# Altium PCB BSPD_General_PCB.PcbDoc
Units mil, origin at the board's own origin, x right, y up, seen from the top; angles counter-clockwise.
Board outline 3937.01 x 2760 mil, 2 copper layers (Top Layer, Bottom Layer); 68 components, 42 nets, 233 pads, 62 vias.
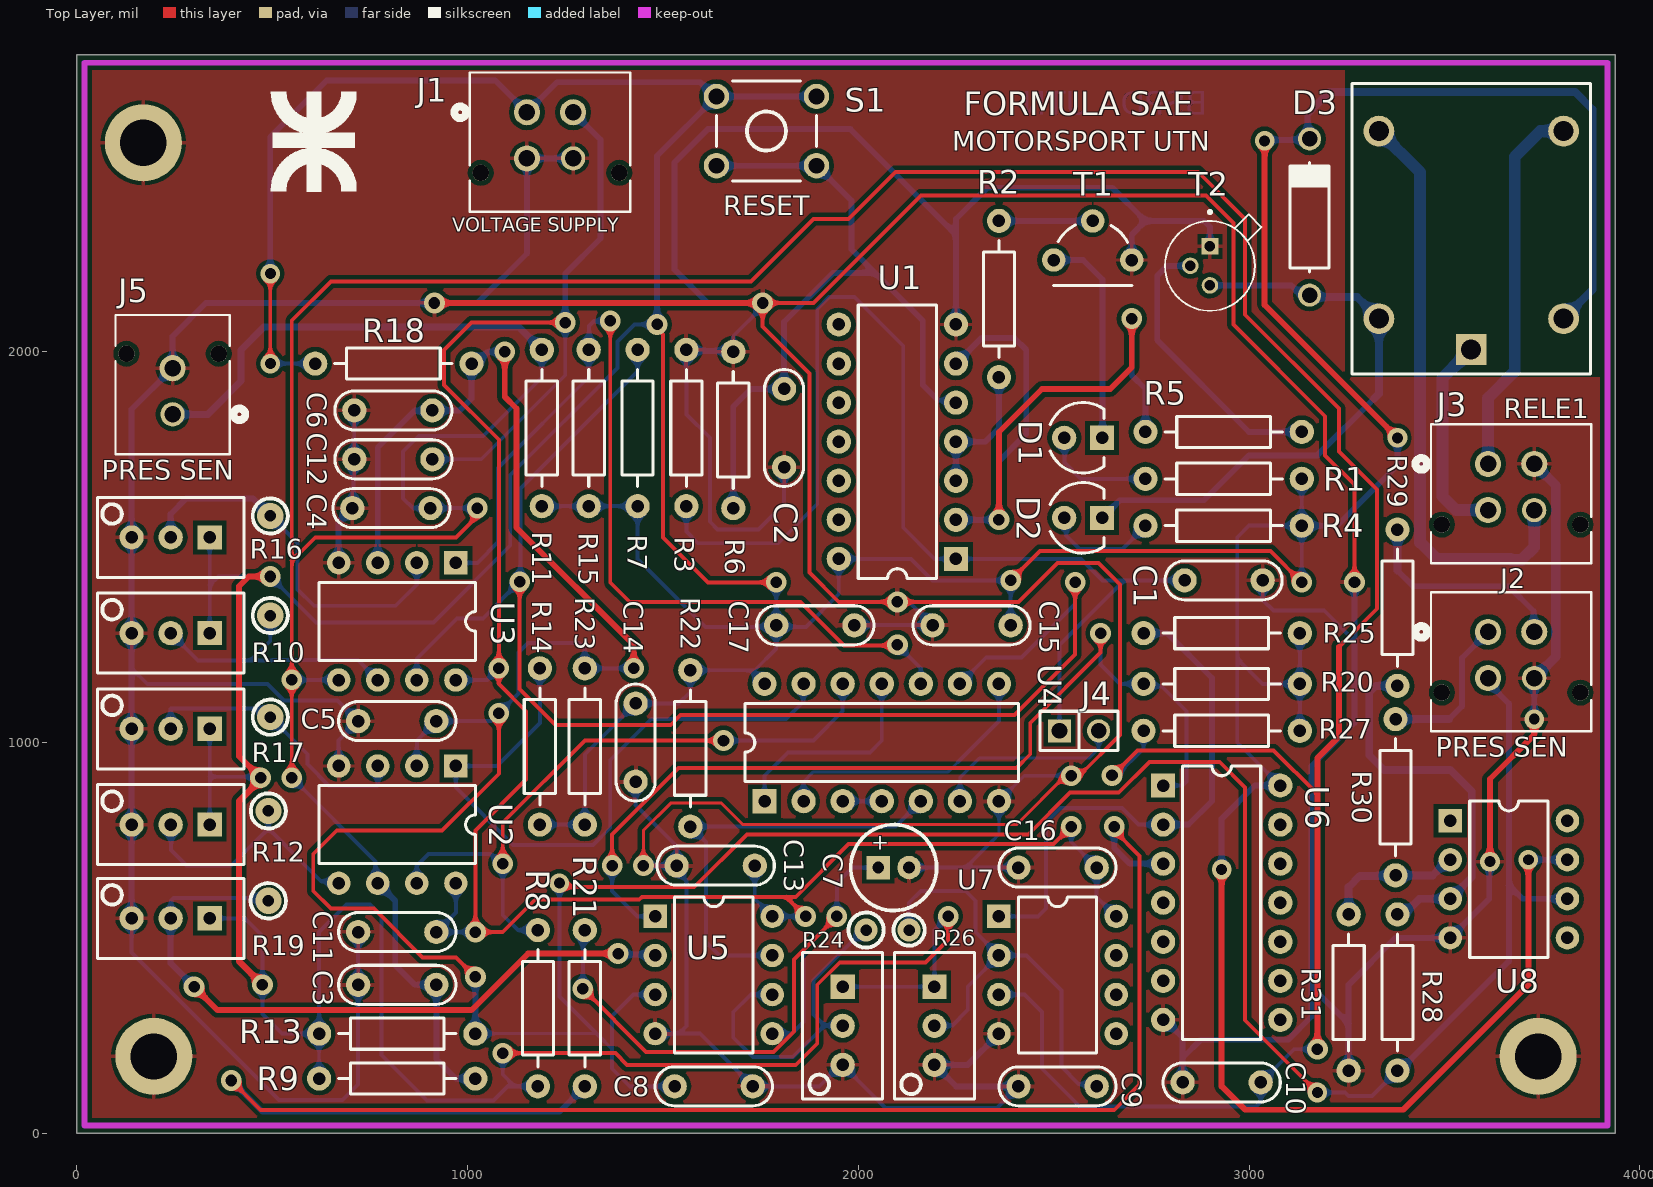
[diagram p0: Top Layer view]
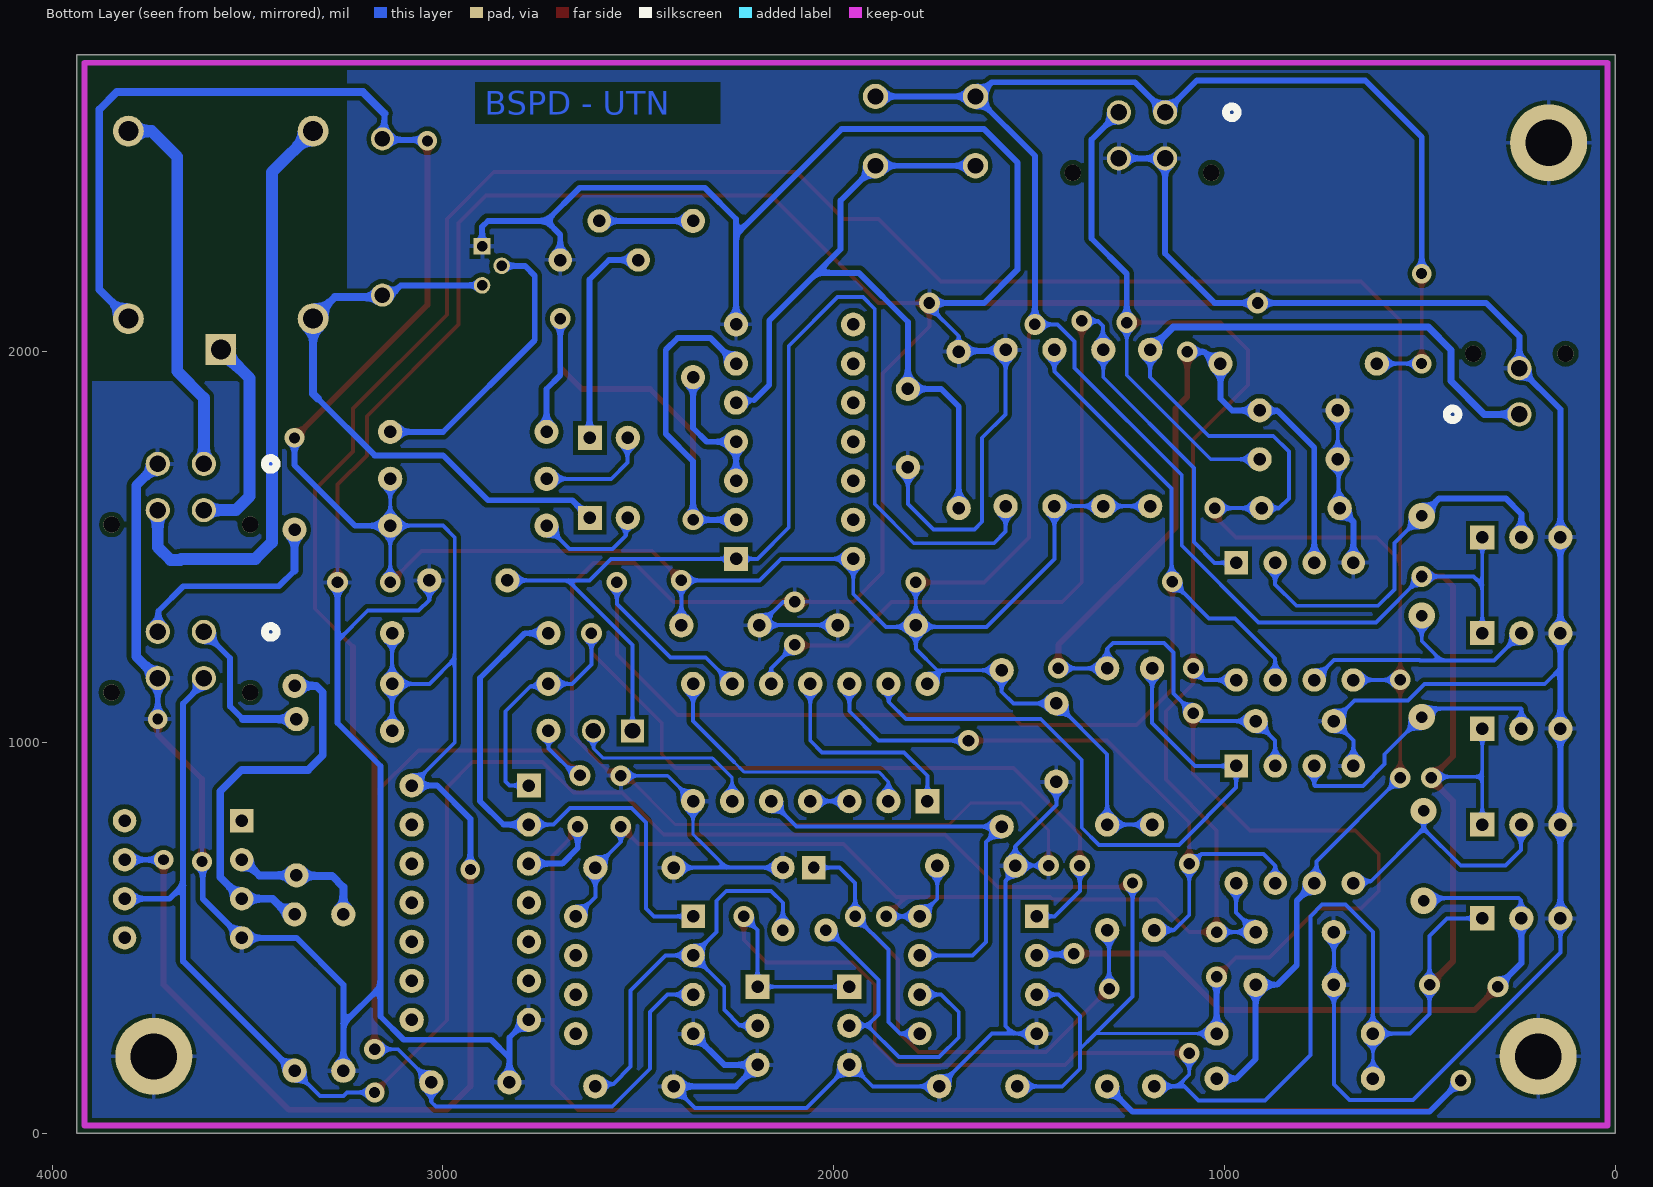
[diagram p1: Bottom Layer view, seen from below]
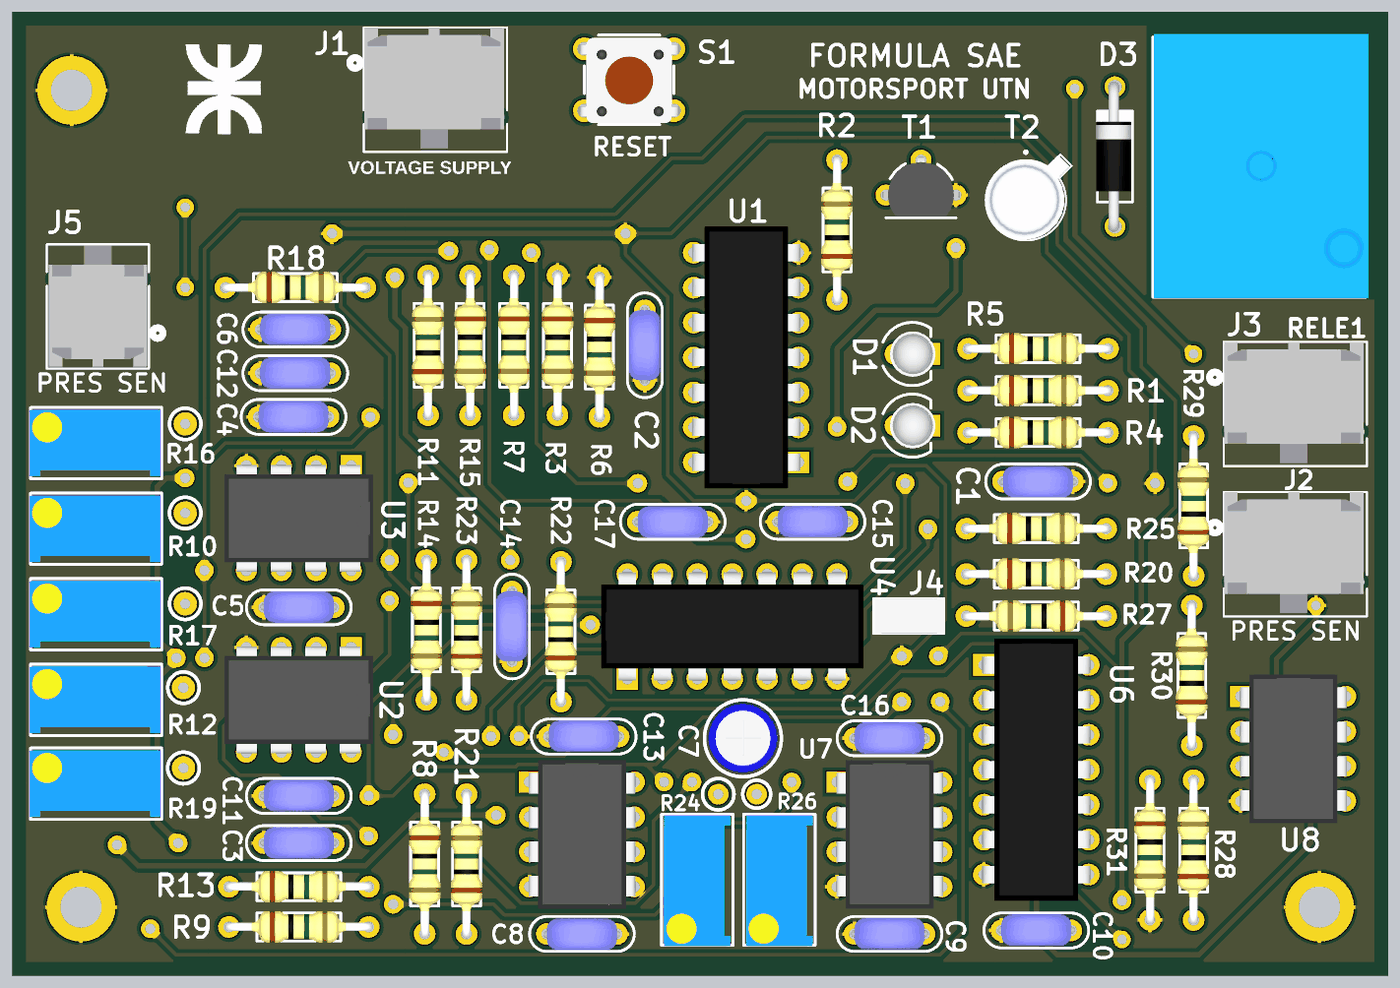
[diagram p2: 3D render of the assembled board from above, using the file's embedded part models]

## Layer stack, top to bottom
Top Solder: solder mask 0.4, Solder Resist, Dk 3.5
Top Layer: signal copper 1.4
Dielectric 1: dielectric 12.6, FR-4, Dk 4.8
Bottom Layer: signal copper 1.4
Bottom Solder: solder mask 0.4, Solder Resist, Dk 3.5

## Board outline
0,0 0,2760 3937.01,2760 3937.01,0

## Design rules (kind name [scope] priority, off if disabled: settings)
Clearance [All] p1: gap=11.81 ignorepadtopadclearanceinfootprint=FALSE
PolygonConnect [All] p1: connectstyle=Relief reliefconductorwidth=10 reliefentries=4 polygonreliefangle="90 Angle" airgapwidth=10
RoutingVias [All] p1: holewidth=28 width=50 viastyle="Through Hole" minholewidth=28 minwidth=50 maxholewidth=28 maxwidth=50
SolderMaskExpansion [All] p1: expansion=4 istentingtop=FALSE
Width [All] p1: maxlimit=32 minlimit=8 preferedwidth=10
30 further rules are at their usual default settings.

## Classes and differential pairs
component class "Retencion y reset": C1 C2 C17 D1 D2 D3 J1 J2 J3 J4 J5 R1 R2 R3 R4 R5 R6 R28 R29 R30 R31 RELE1 S1 T1 T2 U1 U8
component class "Comparadores y protecciones": C3 C4 C5 C6 C7 C8 C9 C10 C11 C12 C13 C14 C15 C16 R7 R8 R9 R10 R11 R12 R13 R14 R15 R16 R17 R18 R19 R20 R21 R22 R23 R24 R25 R26 R27 U2 U3 U4 U5 U6 U7

## Components (designator, comment, footprint, x,y, rotation, side; value= is the part's Value field where it differs from the comment)
C1 "100nF" CAP200 2935,1415 r0 top
C2 "100nF" CAP200 1810,1805 r270 top
C3 "1nF" CAP200 820,380 r180 top
C4 "1nF" CAP200 805,1600 r180 top
C5 "100nF" CAP200 820,1055 r180 top
C6 "100nF" CAP200 810,1850 r180 top
C7 "10uF" CAP100RP 2090.63,680 r0 top
C8 "100nF" CAP200 1630,120 r0 top
C9 "10nF" CAP200 2510,120 r180 top
C10 "100nF" CAP200 2930,130 r180 top
C11 "100nF" CAP200 820,515 r180 top
C12 "100nF" CAP200 810,1725 r180 top
C13 "100nF" CAP200 1635,685 r180 top
C14 "100nF" CAP200 1430,1000 r270 top
C15 "100nF" CAP200 2290,1300 r180 top
C16 "100nF" CAP200 2510,680 r180 top
C17 "100nF" CAP200 1890,1300 r0 top
D1 "LED STATUS" "LED 3 - GREEN" 2575,1780 r0 top
D2 "LED FAILURE" "LED 3 - RED" 2575,1575 r0 top
D3 "1N4001" DO41 3155,2345 r90 top
J1 "Source" CONN_SD-44067-001_04_MOL 1151.89,2613.11 r180 top
J2 "CURR SENSOR" CONN_SD-44067-001_04_MOL 3611.89,1283.11 r180 top
J3 "Relay" CONN_SD-44067-001_04_MOL 3611.89,1713.11 r180 top
J4 "JUMPER" JUMPER2 2565,1030 r0 top
J5 "PRES SENSOR" CONN_SD-44067-001_02_MOL 245,1840 r0 top
R1 "220" RES400 2735,1675 r0 top
R2 "2200" RES400 2360,1935 r90 top
R3 "10K" RES400 1560,2005 r270 top
R4 "220" RES400 2735,1555 r0 top
R5 "1K" RES400 2735,1795 r0 top
R6 "10K" RES400 1680,2000 r270 top
R7 "4K7" RES400 1435,2005 r270 top
R8 "4K7" RES400 1180,520 r270 top
R9 "10K" RES400 620,140 r0 top
R10 "10K" "PRESET V" 240,1280 r180 top
R11 "10K" RES400 1190,1605 r90 top
R12 "10K" "PRESET V" 240,790 r180 top
R13 "10K" RES400 620,255 r0 top
R14 "4K7" RES400 1185,1190 r270 top
R15 "4K7" RES400 1310,2005 r270 top
R16 "10K" "PRESET V" 240,1525 r180 top
R17 "10K" "PRESET V" 240,1035 r180 top
R18 "10K" RES400 610,1970 r0 top
R19 "10K" "PRESET V" 240,550 r180 top
R20 "4K7" RES400 2730,1150 r0 top
R21 "56K" RES400 1300,120 r90 top
R22 "4K7" RES400 1570,785 r90 top
R23 "10K" RES400 1300,790 r90 top
R24 "10K" "PRESET V" 1960,275 r270 top
R25 "4K7" RES400 2730,1280 r0 top
R26 "10K" "PRESET V" 2195,275 r270 top
R27 "10K" RES400 3130,1030 r180 top
R28 "100K" RES400 3380,160 r90 top
R29 "3K3" RES400 3380,1145 r90 top
R30 "3K3" RES400 3375,660 r90 top
R31 "100K" RES400 3255,560 r270 top
RELE1 "RELE SIMPLE" "RELE SERIE 943" 3263.66,1942.95 r90 top
S1 "RESET" TACTSWITCH 1765,2565 r270 top
T1 "BC547B" TO92 2600,2285 r180 top
T2 "2N2222" TO-18 2900,2220 r270 top
U1 "74HC02" DIP14 2250,1470 r180 top
U2 "LM2903" DIP8 970,940 r270 top
U3 "LM2903" DIP8 970,1460 r270 top
U4 "74HC32" DIP14 1760,850 r90 top
U5 "LM2903" DIP8 1480,555 r0 top
U6 "74HC08" DIP14 2780,890 r0 top
U7 "LM2903" DIP8 2360,555 r0 top
U8 "OPA277" DIP8 3515,800 r0 top

## Footprints (in the part's own frame and the unit in brackets; to place one, negate y for a bottom-side part, rotate by r counter-clockwise, add the part's x,y. Pads: shape width x height; smd on the part's side, far side on the other; paste and mask are expansions set on the pad)
CAP100RP [mil] "Body diameter 5mm"
  rect 60x60 hole 30: 1(-39.37,0)
  round 60 hole 30: 2(39.37,0)
  silkscreen extent -110,-110 110,110, body extent -99,-99 99,100, height 454
CAP200 [mil]
  round 62 hole 32: 1(-100,0) 2(100,0)
  silkscreen extent -150,-50 150,50, body extent -110,-46 110,44, height 246
CONN_SD-44067-001_02_MOL [mil]
  round 62 hole 42 paste-31 mask+0: 1(0,0)
  round 66.93 / inner round 62 / far side round 62 hole 42 paste-31 mask+0: 2(0,118.11)
  round 42 hole 42 unplated paste+0 mask+0: 3(-118.11,155.12) 4(118.11,155.12)
  silkscreen extent -146,-102 186,254, body extent -141,-96 141,250, height 391
CONN_SD-44067-001_04_MOL [mm]
  round 1.7 / inner round 1.575 / far side round 1.575 hole 1.067 paste-0.787 mask+0: 1(0,0) 2(-3,0) 3(0,3)
  round 1.575 hole 1.067 paste-0.787 mask+0: 4(-3,3)
  round 1.067 hole 1.067 unplated paste+0 mask+0: 5(-6,3.94) 6(3,3.94)
  silkscreen extent -6.71,-2.59 4.72,6.46, body extent -6.47,-2.57 3.68,6.23, height 9.42
DIP8 [mil]
  rect 60x60 hole 32: 1(0,0)
  round 60 hole 32: 2(0,-100) 3(0,-200) 4(0,-300) 5(300,-300) 6(300,-200) 7(300,-100) 8(300,0)
  silkscreen extent 50,-350 250,50, body extent -3,-363 303,63, height 177
DIP14 [mil]
  rect 62x62 hole 32: 1(0,0)
  round 62 hole 32: 2(0,-100) 3(0,-200) 4(0,-300) 5(0,-400) 6(0,-500) 7(0,-600) 8(300,-600) 9(300,-500) 10(300,-400) 11(300,-300) 12(300,-200) 13(300,-100) 14(300,0)
  silkscreen extent 50,-650 250,50, body extent -5,-675 305,75, height 165
DO41 [mm]
  round 1.5 hole 1.016: 1(-5.08,0) 2(5.08,0)
  silkscreen extent -3.56,-1.27 3.56,1.27, body extent -5.46,-1.19 5.46,1.37, height 2.03
JUMPER2 [mm]
  rect 1.5x1.5 hole 1.016: 1(-1.27,0)
  round 1.5 hole 1.016: 2(1.27,0)
  silkscreen extent -2.54,-1.27 2.54,1.27, body extent -2.46,-1.27 2.54,1.27, height 9.5
"LED 3 - GREEN" [mil]
  round 62 hole 32: 1(-48,0)
  rect 62x62 hole 32: 2(49,0)
  silkscreen extent -84,-90 54,90, body extent -64,-65 66,65, height 237
"LED 3 - RED" [mil]
  round 62 hole 32: 1(-48,0)
  rect 62x62 hole 32: 2(49,0)
  silkscreen extent -84,-90 54,90, body extent -64,-65 66,65, height 237
"PRESET V" [mil]
  rect 62x62 hole 32: 1(-100,0)
  round 62 hole 32: 2(0,0) 3(100,0)
  silkscreen extent -188,-102 188,102, body extent -185,-95 190,95, height 455
"RELE SERIE 943" [mm]
  round 2 hole 1.3: B1(3.6,-13.75) B2(3.6,-1.75) NA1(15.8,-13.75) NC1(15.8,-1.75)
  rect 2x2 hole 1.3: C1(1.6,-7.75)
  silkscreen extent 0,-15.5 18.9,0, body extent -0.07,-15.67 19.13,-0.07, height 15.81
RES400 [mil]
  round 62 hole 32: 1(0,0) 2(400,0)
  silkscreen extent 50,-40 350,40, body extent -12,-45 412,46, height 96
TACTSWITCH [mil]
  round 65 hole 40: 1(-88.58,-127.95) 2(-88.58,127.95) 3(88.58,-127.95) 4(88.58,127.95)
  silkscreen extent -128,-128 128,128, body extent -120,-156 124,156, height 276
TO92 [mil]
  round 60 hole 32: 1(0,-50) 2(100,50) 3(-100,50)
  silkscreen extent -100,-39 100,115, body extent -110,-61 110,110, height 315
TO-18 [mm]
  round 1.08 hole 0.68: 1(0,-1.27) 2(1.27,0)
  rect 1.08x1.08 / inner round 1.08 / far side rect 1.08x1.08 hole 0.68: 3(-1.27,0)
  silkscreen extent -3.6,-2.92 2.92,3.34, body extent -3.3,-2.99 2.87,3.18, height 5.31

## Part data
C1 C2 C3 C4 C5 C6 C8 C9 C10 C11 C12 C13 C14 C15 C16 C17: library part CAP
C7: library part CAPPOL
D1: library part "LED VERDE", "LED VERDE"
D2: library part "LED ROJO", "LED ROJO"
D3: "Diodo"
J1 J2 J3: library part "MolexMini 4", "Molex mini 50 de 4 pines (440670401)", Package=None, Availability=Unavailable, MP=347920040, Price=None
J5: library part "MolexMini 2", "Micro-Fit 3.0 Wire-to-Board Header, Dual Row, Vertical for up to 3.56mm Thick PCB, 2 Circuits, Tin (Sn) Plating", Manufacturer_Name="Molex Connector Corporation", Manufacturer_Part_Number=440670201, Copyright="Copyright (C) 2025 Ultra Librarian. All rights reserved.", RefDes=RefDes, Type=Type
R1 R2 R3 R4 R5 R6 R7 R8 R9 R11 R13 R14 R15 R18 R20 R21 R22 R23 R25 R27 R28 R29 R30 R31: library part RES
R10 R12 R16 R17 R19 R24 R26: library part PRESET
S1: library part "TACT SWITCH"
T1 T2: library part "TRANSISTOR NPN"
U1: "Compuerta NOR", Autor="SALERNO, Santiago", datasheet=https://cdn.datasheetspdf.com/pdf-down/7/4/H/74HC14-ONSemiconductor.pdf, fecha=10/05/2019
U2 U3 U5 U7: "Comparador"
U4: "Compuerta OR", Autor="SALERNO, Santiago", datasheet=https://cdn.datasheetspdf.com/pdf-down/7/4/H/74HC14-ONSemiconductor.pdf, fecha=10/05/2019
U6: "Compuerta AND", Autor="SALERNO, Santiago", datasheet=https://cdn.datasheetspdf.com/pdf-down/7/4/H/74HC14-ONSemiconductor.pdf, fecha=10/05/2019
U8: "Op Amp Single Low Offset Voltage Amplifier Â±18V 8-Pin PDIP Tube", Package=None, Check_prices=https://www.snapeda.com/parts/OPA277/Texas+Instruments/view-part/?ref=eda, MF="Texas Instruments", MP=OPA277, SnapEDA_Link=https://www.snapeda.com/parts/OPA277/Texas+Instruments/view-part/?ref=snap

## Free pads (board coordinates)
  round 196.85 hole 118.11: 2(170,2535) 2(196.85,196.85) 2(3740.16,196.85)

## Via types
v1: diameter 53.15, hole 29.53, Top Layer to Bottom Layer, 45 vias
v2: diameter 50, hole 28, Top Layer to Bottom Layer, 10 vias
v3: diameter 66.93, hole 29.53, Top Layer to Bottom Layer, 5 vias
v4: diameter 59.06, hole 29.53, Top Layer to Bottom Layer, 2 vias

## Nets (pads, with @x,y where several pads share a name; then routed paths per layer and width w, separated by ;. In a path a pad name is that pad's centre, name@x,y a point inside that pad or via, vN(x,y) a via of type N, cw(c..) or ccw(c..) an arc to the next point about the centre after c; other vN are vias at no path point)
5V: C14.1 C15.1 C17.1 D3.2 J1.1 R1.2 R4.2 R7.2 R8.2 R9.1 R10.1 R11.1 R12.1 R13.1 R14.2 R15.2 R16.1 R17.1 R18.1 R19.1 R20.2 R22.2 R23.1 R24.1 R25.2 R26.1 R27.1 RELE1.B1 S1.1 S1.2 U1.14 U4.14 U6.14 U8.7 | length 21345.6
  Top Layer w10: v1@490,1420 v1(495,1425) ; v2(495,1970) v2(495,2200) ; v1(1090,205) 1378.44,205 1408.44,175 1840,175 1895,230 1895,380 1952.5,437.5 2172.5,437.5 2230,495 v1(2230,555) ; v1(1485,2070) 1485,2059.18 1500,2044.18 1500,1525 1615,1410 v1(1790,1410) ; v1(2390,1415) 2465,1490 3055,1490 v1(3135,1410)
  Top Layer w15: v1(470,910) 415,965 415,1400 440,1425 v1(495,1425) ; v2(2930,675) 2930,120 2990,60 3395,60 3715,380 v2(3715,700) ; v2(3040,2540) 3040,2120 v2(3380,1780)
  Top Layer w16: v1(470,910) 470,905 415,850 415,440 v1(475,380)
  Bottom Layer w8: R9.1 R13.1
  Bottom Layer w10: R19.1 430,550 475,505 v1(475,380) 475,305 525,255 R13.1 620,515 690,585 750,585 780,555 780,200 895.87,84.13 1065.87,84.13 1101.75,120 1120,120 ; R12.1 340,912.5 ; R17.1 340,912.5 ; R10.1 340,1402.5 ; R16.1 340,1402.5 ; v1@472.5,912.5 340,912.5 ; v2(495,1970) R18.1 ; v1(1090,205) 1090,150 1120,120 ; R8.2 1120,120 ; R14.2 R23.1 1300,970 C14.1 1540,1100 1570,1130 R22.2 1725,1185 ; R8.2@1187.5,117.5 R8.2@1190,120 ; R11.1 R15.2 R7.2 1435,1470 1609,1296 1789,1296 1790,1295 1789.48,1294.48 1789.48,1239.48 1735,1185 1725,1185 ; v1(1485,2070) 1426.82,2070 1383.25,2026.43 1383.25,1958.25 1109.25,1684.25 1109.25,1504.25 912.5,1307.5 612.5,1307.5 v1(495,1425) 362.5,1425 340,1402.5 ; U4.14 1725,1185 ; v1(1790,1410) C17.1 1790,1295.96 C17.1@1790.48,1295.48 ; C17.1@1791,1296 1866,1296 1950,1380 U1.14 2135,1470 2190,1415 v1(2390,1415) C15.1 ; R24.1 R26.1 2195,520 v1(2230,555) ; U6.14 2970,1000 2970,1215 ; R27.1 R20.2 ; R25.2 R20.2 ; v1(3135,1410) R4.2 ; R1.2 R4.2 ; 2970,1215 2970,1525 3000,1555 R4.2 ; 2970,1215 3035,1150 R20.2
  Bottom Layer w15: v2(495,2200) 495,2550 639.56,2694.56 1070.44,2694.56 J1.1 1228.78,2690 1595.68,2690 1632.1,2653.58 S1.1 ; v1(1485,2070) 1485,2501.54 S1.1 ; S1.2 S1.1 ; v2(2930,675) 2930,805 3015,890 U6.14 ; v2(3040,2540) 3042.5,2542.5 3152.5,2542.5 D3.2 3150,2550 3150,2610 ; R4.2 3225,1555 3380,1710 v2(3380,1780) ; v2(3715,700) 3805,700 3810,695 U8.7
  Bottom Layer w20: 3150,2610 3205,2665 3835,2665 3880,2620 3880,2159.69 RELE1.B1
12V: C11.1 C12.1 C13.1 C16.1 J1.2 U2.8 U3.8 U5.8 U7.8 | length 5725.2
  Top Layer w10: v1(1250,2075) 1010,2075 940,2005 940,1915 1080,1775 v1(1080,1190) 1080,1150 1150,1080 1150,905 1020,775 v1(1020,515) 1090,515 1173.19,598.19 1439.41,598.19 1446.23,605 1815,605 ; v1(1865,555) 1815,605 ; v1(2545,785) 2500,740 1975,740 1840,605 1815,605
  Bottom Layer w10: C12.1 1035,1725 1250,1940 v1(1250,2075) ; U2.8 970,565 C11.1 v1(1020,515) ; U3.8 1050,1160 v1(1080,1190) ; C13.1 1735,600 U5.8 v1(1865,555) ; v1(2545,785) 2545,745 C16.1 2610,605 U7.8
  Bottom Layer w15: v1(1250,2075) 1250,2200 1340,2290 1340,2543.11 J1.2
COM: J3.3 RELE1.C1 | length 537.9
  Bottom Layer w30: RELE1.C1 3495,1932.17 3495,1630 3530,1595 J3.3
GND: C1.2 C2.2 C3.2 C4.2 C5.2 C6.2 C7.2 C8.2 C9.2 C10.2 C11.2 C12.2 C13.2 C14.2 C15.2 C16.2 C17.2 J1.3 J1.4 J2.4 J3.2 J5.2 pad.2 R3.1 R6.1 R10.3 R12.3 R16.3 R17.3 R19.3 R24.3 R26.3 R31.2 T1.3 T2.3 U1.7 U2.4 U3.4 U4.7 U5.4 U6.7 U7.4 U8.4 | length 23004.9
  Top Layer w8: v1(1450,685) 1450,775 1520,845 1650,845 1705,790 2405,790 2530,915 v1(2545,915)
  Top Layer w10: v1(2545,915) 2565.53,915 2670,1019.47 2670,1405 2615,1460 2510,1460 2410,1360 v1(2100,1360) 1950,1360 1875,1435 1875,1945 1755,2065 v1(1755,2125) 1885,2125 2160,2400 2890,2400 2960,2330 2960,2070 3195,1835 3195,1735 3270,1660 v1(3270,1410)
  Top Layer w15: v1(915,2125) v1(1755,2125) ; v2(3616.81,695) 3616.81,906.81 3730,1020 v2(3730,1060)
  Bottom Layer w8: v1(1450,685) C13.2 ; 2345,750 2360,765 U4.7 2425,915 v1(2545,915)
  Bottom Layer w10: R19.3 140,462.5 517.5,85 680,85 720,125 C3.2 C11.2 ; 140,1190 180,1150 487.5,1150 530,1107.5 667.5,1107.5 C5.2 670,1005 U2.4 ; C4.2 707.5,1602.5 707.5,1722.5 C12.2 C6.2 ; C14.2 1430,840 1535,735 C13.2 1535,670.93 1560,645.93 1560,275 1540,255 ; U5.4 1540,255 ; R3.1@1562.5,2002.5 R3.1 1560,1840 1620,1780 1620,1565 1640,1545 1745,1545 1810,1610 C2.2 ; R6.1@1677.5,2002.5 R6.1 1680,2040 1755,2115 v1(1755,2125) ; C17.2 1990.75,1300.75 C15.2@2189.25,1300.75 ; v1(2100,1360) 2130,1360 C15.2@2189.25,1300.75 ; C7.2 2275,680 ; C15.2 C15.2@2189.25,1300.75 ; 2345,750 2275,680 ; U4.7@2355,850 U4.7@2359,846 ; C9.2 2355,65 2070,65 R24.3 1955,175 1900,120 C8.2 1595,255 1540,255 ; C16.2 2275,680 ; C1.2 3035,1365 3062.5,1337.5 3192.5,1337.5 3270,1260
  Bottom Layer w15: R19.3 R12.3 R17.3 140,1190 R10.3 R16.3 140,1853.11 J5.2 245,2040 330,2125 v1(915,2125) 1025,2125 1151.89,2251.89 J1.3 J1.4 ; U3.4 670,1565 C4.2 ; R3.1@1562.5,2002.5 R6.1@1677.5,2002.5 ; v1(1755,2125) 1615,2125 1530,2210 1530,2485 1615,2570 1980,2570 2250,2300 ; U1.7 2250,2300 ; U7.4 2280,175 R26.3 2250,120 C9.2 ; T1.3 2700,2300 2735,2335 ; U6.7 2785,290 2830,245 C10.2 ; 2832.5,195 2876.81,239.31 3100.46,239.31 3160,298.85 3160,375 ; T2.3 2900,2320 2885,2335 2735,2335 ; R31.2 3255,280 ; v1(3270,1410) 3270,1260 3270,1050 3160,940 3160,375 ; v2(3616.81,695) 3615,693.19 3615,600 U8.4 3375,500 3255,380 3255,280 ; v2(3730,1060) J2.4 ; 2250,2300 2250,2340 2330,2420 2650,2420 2735,2335 ; 3160,375 3255,280
  Bottom Layer w25: J2.4 3785.31,1220.31 3785.31,1657.8 J3.2
NA: J3.1 RELE1.NA1 | length 969.4
  Bottom Layer w30: J3.1@3610,1711.22 J3.1 3611.89,1881.89 3680,1950 3680,2499.57 3745.43,2565 RELE1.NA1
NC: J3.4 RELE1.NC1 | length 1515.6
  Bottom Layer w30: RELE1.NC1 3437.81,2459.75 3437.81,1512.19 3480,1470 3670,1470 3672.57,1467.43 3697.43,1467.43 3730,1500 J3.4
NetC1_1: C1.1 J4.1 R3.2 U1.1 | length 2932.3
  Bottom Layer w10: R3.2 1560,1540 1590,1510 1795,1510 1895,1610 1895,2110 1925,2140 1990,2140 2115,2015 2115,1550 2195,1470 U1.1 2570,1470 2625,1415 2680,1415 ; J4.1 2515,1250 2680,1415 ; C1.1 2680,1415
NetC2_1: C2.1 R6.2 S1.3 S1.4 U1.5 | length 1898.7
  Bottom Layer w10: 2204,1876 2244,1876 U1.5
  Bottom Layer w15: S1.3 S1.4 1982.5,2386.87 1982.5,2262.5 2042.95,2202.05 ; R6.2 1680,1860 1725,1905 C2.1 1810,2076.42 1935.63,2202.05 2042.95,2202.05 ; 2204,1876 2165,1915 2165,2080 2042.95,2202.05
NetC7_1: C7.1 R21.2 U5.5 | length 1738.1
  Top Layer w10: v1(1295,370) 1456.81,208.19 1782.69,208.19 1835,260.5 1835,445 v1(1945,555)
  Bottom Layer w10: v1(1295,370) 1295,495 1305,505 1300,510 1305,515 R21.2 ; U5.5 1830,255 1860,285 1860,470 v1(1945,555) ; v1@1947.5,557.5 v1(1945,555) ; C7.1 1985,680 1945,640 v1(1945,555)
NetD1_1: D1.1 R1.1 | length 288.3
  Bottom Layer w10: D1.1 2528,1779 2528,1716.25 2569.25,1675 R1.1
NetD1_2: D1.2 T1.2 | length 552.1
  Bottom Layer w10: D1.2 2625,1781 D1.2@2625,1780
  Bottom Layer w15: T1.2 2575,2235 2625,2185 D1.2@2625,1781
NetD2_1: D2.1 R4.1 | length 289.1
  Bottom Layer w10: D2.1 2532.41,1569.59 2532.41,1529 2565.67,1495.75 2675.75,1495.75 R4.1
NetD2_2: D2.2 D3.1 RELE1.B2 T2.2 | length 1500.1
  Bottom Layer w15: D2.2 2669,1620 2885,1620 3000,1735 3175,1735 3320,1880 ; T2.2 3108.08,2170 3138.08,2140 D3.1@3150,2140
  Bottom Layer w20: D3.1@3150,2140 3277.24,2140 RELE1.B2 3332.56,1892.56 3320,1880
NetJ4_2: J4.2 U4.6 | length 491.1
  Bottom Layer w8: U4.6 2260,910 2310,960 2590,960 2615,985 J4.2
NetR2_1: R2.1 U1.3 U1.4 | length 354.5
  Bottom Layer w15: U1.3 U1.4 2325,1770 2360,1805 R2.1
NetR2_2: R2.2 T1.1 | length 240
  Bottom Layer w15: R2.2 T1.1
NetR5_1: R5.1 U1.2 U1.6 | length 1856.2
  Top Layer w15: v1(2360,1570) 2360,1795 2470,1905 2645,1905 2700,1960 v1(2700,2085)
  Bottom Layer w15: U1.2 v1(2360,1570) 2360,1720 2430,1790 2430,2005 2400,2035 2315,2035 U1.6 ; v1(2700,2085) 2700,1940 2735,1905 R5.1
NetR5_2: R5.2 T2.1 | length 727.7
  Bottom Layer w15: T2.1 2790,2220 2765,2195 2765,2030 3000,1795 R5.2
NetR7_1: R7.1 U3.7 U4.9 | length 3547.2
  Top Layer w10: v1(1133.25,1411.75) 1133.25,1136.75 1225,1045 1520,1045 1545,1070 2400,1070 2555,1225 v1(2555,1410)
  Bottom Layer w10: U3.7 870,1215 972.5,1317.5 1039,1317.5 v1(1133.25,1411.75) 1135,1413.5 1135,1650 1435,1950 R7.1 ; U4.9 2327.47,1217.47 2417.47,1217.47 2555,1355 v1(2555,1410)
NetR8_1: R8.1 U2.7 U4.12 | length 1687.9
  Top Layer w10: v1(1090,690) 1090,795 1300,1005 v1(1655,1005)
  Bottom Layer w10: U2.7 870,685 900,715 1058.43,715 1083.43,690 v1(1090,690) 1090,559.09 1129.09,520 R8.1 ; v1(1655,1005) 1885,1005 1960,1080 U4.12
NetR14_1: R14.1 U2.1 U4.13 | length 1704.9
  Bottom Layer w10: R14.1 1185,1050 1075,940 U2.1 970,884.7 1116.45,738.25 1321.43,738.25 1365,781.82 1365,955 1470,1060 1815,1060 1859,1104 1859,1149 U4.13
NetR15_1: R15.1 U3.1 U4.10 | length 2435.6
  Top Layer w10: v1(1365,2079.11) 1365,1410 1415,1360 1851.82,1360 1963.57,1248.25 2098.25,1248.25 v1(2100,1250)
  Bottom Layer w10: U3.1 1025,1460 1078.13,1513.13 1078.13,1703.13 1310,1935 R15.1 1311,2006 1311,2066 1323.43,2078.43 1364.31,2078.43 v1(1365,2079.11) ; v1(2100,1250) 2160,1190 U4.10
NetR20_1: R20.1 U5.1 U6.1 | length 2406.9
  Top Layer w10: v1(1370,685) 1370,765 1540,935 2405,935 2440,970 2440,1050 2620,1230 v1(2620,1280)
  Bottom Layer w10: v1(1370,685) 1370,619.7 1434.7,555 U5.1 ; v1(2620,1280) 2620,1200 2670,1150 R20.1 ; R20.1@2736,1144 2776,1144 2840,1080 2840,900 2830,890 U6.1
NetR21_1: R21.1 U6.3 | length 4231.5
  Top Layer w10: v1(395,135) 470,60 2655,60 2720,125 2720,710 2655,775 v1(2655,785)
  Bottom Layer w15: v1(395,135) 475,55 1235,55 R21.1 ; v1(2655,785) 2655,730 2695,690 U6.3
NetR22_1: R22.1 U4.5 U5.7 | length 1113
  Bottom Layer w10: U5.7 1645,455 1610,490 1610,745 R22.1 2095,785 U4.5
NetR24_2: R24.2 U5.6 | length 833.3
  Bottom Layer w10: U5.6 1725,355 1680,310 1680,245 1730,195 1833,195 1914,276 ; R24.2 1959,276 1914,276 ; v4(2020,520) 2013.66,520 1885.75,392.09 1885.75,304.25 1914,276
NetR25_1: R25.1 U6.2 U7.1 | length 1368.7
  Bottom Layer w10: U7.1 2460,555 2480,575 2480,795 2517.5,832.5 2674.42,832.5 2716.92,790 U6.2
  Bottom Layer w15: R25.1 2790.54,1279.46 2905,1165 2905,850 2845,790 U6.2
NetR28_2: R28.2 R29.1 U8.3 | length 978.2
  Bottom Layer w20: R29.1 3324.31,1145 3307.6,1128.28 3307.6,967.4 3345,930 3515,930 3570,875 3570,655 U8.3 3436.37,600 3401.37,565 R28.2@3390,565
NetR30_1: R30.1 R31.1 U8.2 | length 374.7
  Bottom Layer w20: R31.1 3255,630 3283.75,658.75 R30.1@3391.25,658.75 ; R30.1 3470.15,660 3510.15,700 U8.2
open_circuit_fail: U4.1 U4.11 | length 547.3
  Bottom Layer w10: U4.1 1760,915 1820,975 2030,975 2060,1005 U4.11
PRES_SENSOR: C3.1 C4.1 C10.1 J5.1 R9.2 R11.2 R27.2 U2.6 U3.5 U7.3 | length 11628.9
  Top Layer w10: v1(550,910) v1(550,1160.75) 550,1465 ; v1(1025,1600) 1025,1580 970,1525 610,1525 550,1465 ; v1(2649.32,915.68) 2650.68,915.68 2715,980 3063.18,980 3174.09,869.09 ; 3230,1245 3327.5,1342.5 3327.5,1647.5 3230,1745 3230,1855 2990,2095 2990,2340 2870,2460 2095,2460 1975,2340 1885,2340 1725,2180 650,2180 550,2080 550,1465
  Top Layer w15: 3174.09,869.09 3175,868.18 ; v1(3175,215) 3175,868.18 ; 3230,1245 3230,1015 3175,960 3175,868.18
  Bottom Layer w8: 2730,985 R27.2
  Bottom Layer w10: v1(550,910) 764.18,695.82 764.18,645.82 U2.6 ; v1(550,1160.75) 550.62,1160.12 669.88,1160.12 U3.5 ; v1(1025,1600) C4.1 860,1600 835,1625 835,1745 875,1785 1040,1785 1190,1935 R11.2 ; U7.3 2425,355 2470,310 2470,165 2566.75,68.25 3018.25,68.25 3030,80 C10.1 3115,215 v1(3175,215) ; v1(2649.32,915.68) 2650,915 2660,915 2730,985
  Bottom Layer w15: U2.6 815,595 815,430 865,380 C3.1 920,190 970,140 R9.2
  Bottom Layer w17.87: J5.1 335,1840 420,1925 420,2005 478,2063 1132,2063 R11.2
sensor_failure: U4.3 U4.4 | length 100
  Bottom Layer w10: U4.3 U4.4
short_circuit_fail: U4.2 U4.8 | length 709.2
  Bottom Layer w8: U4.2 1860,900 1885,925 2230,925 2255,950
  Bottom Layer w10: 2255,950 2360,1055 U4.8
Vo_curr: J2.2 R29.2 | length 550.4
  Bottom Layer w15: 3380,1440 3420,1400 3665,1400 3728.39,1336.61 3728.39,1284.72 J2.2
  Bottom Layer w20: 3380,1440 R29.2
VO_CURR_SENSOR: C5.1 C6.1 C8.1 J2.3 R13.2 R18.2 R23.2 R28.1 U2.2 U3.3 U5.3 U8.6 | length 9577.3
  Top Layer w10: v1(1020,400) 970,450 885,450 760,575 650,575 605,620 605,715 665,775 935,775 1080,920 v1(1080,1075) ; v2(1235,640) 1245,630 1580,630 1715,765 2435,765 2541.61,871.61 2666.61,871.61 2745,950 2925,950 2990,885 2990,289.31 3170.69,108.62 3170.69,104.31 v2(3175,104.31)
  Top Layer w15: v1(1095,2000) 1095,1885 1125,1855 1125,1550 1425,1250 v1(1425,1190)
  Bottom Layer w8: R13.2 1330,255 ; 1350,235 1370,215
  Bottom Layer w10: U2.2 870,1005 C5.1 1060,1055 v1(1080,1075) 1130,1125 1130,1230 1155,1255 1285,1255 1300,1240 R23.2 v1(1425,1190) ; C6.1@909,1849 C6.1 ; R18.2 R18.2@1021.86,1970 ; v2(1235,640) 1235,350 1330,255 1350,235 ; U5.3 1425,355 1370,300 1370,215 1370,165 1415,120 C8.1 C8.1@1531.03,118.97 ; v2@3174.31,104.31 v2(3175,104.31) 3245.76,104.31 3255.07,95 3315,95 R28.1
  Bottom Layer w15: U3.3 770,1755 864,1849 C6.1@909,1849 ; C6.1 980,1850 1010,1880 R18.2 ; R13.2 v1(1020,400) ; R18.2@1021.86,1970 1051.86,2000 v1(1095,2000) ; R28.1@3390,165 3665,440 3665,635 ; J2.3 3611.89,1153.11 3665,1100 3665,635 ; U8.6 3700,600 3665,635
VREF1: C9.1 R26.2 U7.2 | length 1205.3
  Bottom Layer w10: v4(2130,520) 2130,590 2160,620 2275,620 2300,595 2300,515 U7.2 ; R26.2 2196,276 2241,276 2280,315 2280,375 U7.2 ; C9.1 2604,126 2564,126 2519.63,170.37 2519.63,365.37 2430,455 U7.2
VREF2: R19.2 U5.2 | length 1767.4
  Top Layer w15: v1(300,375) 360,315 1010,315 1155,460 v1(1385,460)
  Bottom Layer w10: R19.2 241,551 241,596 246.75,601.75 483.25,601.75 v3(490,595)
  Bottom Layer w15: R19.2 240,435 v1(300,375) ; v1(1385,460) 1387.5,457.5 1477.5,457.5 U5.2
VREF3: R10.2 U3.6 | length 716
  Bottom Layer w10: R10.2 310,1210 445,1210 ; v3(495,1325) 495,1260 445,1210 ; U3.6 719.25,1210.75 500.88,1210.75 500.14,1210 445,1210
VREF4: R16.2 U3.2 | length 967.7
  Bottom Layer w10: v3(495,1580) 564.25,1510.75 564.25,1392.16 606.41,1350 815,1350 870,1405 U3.2
  Bottom Layer w15: R16.2 240,1585 280,1625 450,1625 v3(495,1580)
VREF5: R12.2 U2.5 | length 653.3
  Bottom Layer w10: R12.2 241,789 241,725 281,685 395,685 490,780 ; v3(490,825) 490,780 ; U2.5 665,645 625,645 490,780
VREF6: R17.2 U2.3 | length 727.7
  Bottom Layer w10: R17.2 240,1085.91 240.84,1086.75 473.25,1086.75 v3(495,1065) 590,970 590,945 645.75,889.25 768.75,889.25 770,890.5 U2.3
VREF_curr: J2.1 R30.2 | length 401.8
  Bottom Layer w15: 3512.5,1060 3545,1092.5 3545,1216.22 J2.1
  Bottom Layer w20: R30.2 3512.5,1060
pads on no net: J1.5 J1.6 J2.5 J2.6 J3.5 J3.6 J5.3 J5.4 U1.8 U1.9 U1.10 U1.11 U1.12 U1.13 U6.4 U6.5 U6.6 U6.8 U6.9 U6.10 U6.11 U6.12 U6.13 U7.5 U7.6 U7.7 U8.1 U8.5 U8.8

## Polygon pours and split planes (outlines as drawn)
GND on Bottom Layer "NONET_L01_P-001" (solid, remove dead copper, pour order 12): 5,2755 10,2760 3245,2760 3245,1925 3910,1925 3910,27.01 3917.32,19.68 19.68,19.68 19.68,2740
no net on Bottom Layer "NONET_L02_P001" (solid, pour order 1): -20,2445
GND on Top Layer "NONET_L01_P-001" (solid, remove dead copper, pour order 14): 19.68,2740 3245,2740 3245,1935 3915,1935 3920,1930 3917.32,1927.32 3917.32,19.68 19.68,19.68

## Keep-outs
Keep-Out Layer:
  lines w15: 19.68,19.68 19.68,2740 3917.32,2740 3917.32,19.68 19.68,19.68

## Other copper
Bottom Layer:
  text "BSPD - UTN" at 2893.19,2606.81 h60

## Silkscreen, mask and mechanical layers (free items; w line width, h text height)
Top Overlay:
  drawing of 8 lines, arcs and shapes, not listed
  text "FORMULA SAE" at 2270,2605 h60
  text "MOTORSPORT UTN" at 2240,2515 h50
  text "RESET" at 1654,2349 h50
  text "VOLTAGE SUPPLY" at 960.47,2295.72 h60
  text "PRES SEN" at 63,1673 h50
  text "PRES SEN" at 3478,963 h50
Mechanical 1:
  the board outline again, w10

## Text inside footprints (layer, text, board x,y; h text height)
C7: Top Overlay "+" at 2033.63,726 h40